# Altium PCB MatrixRE2.PcbDoc (part 3 of 3)
Units mm, origin at the board's own origin, x right, y up, seen from the top; angles counter-clockwise.
Board outline 200.1 x 201 mm, 2 copper layers (Top Layer, Bottom Layer), stack 1.55 mm thick; 298 components, 226 nets, 883 pads, 431 vias.
Unrouted connection lines stored in the file: 2.
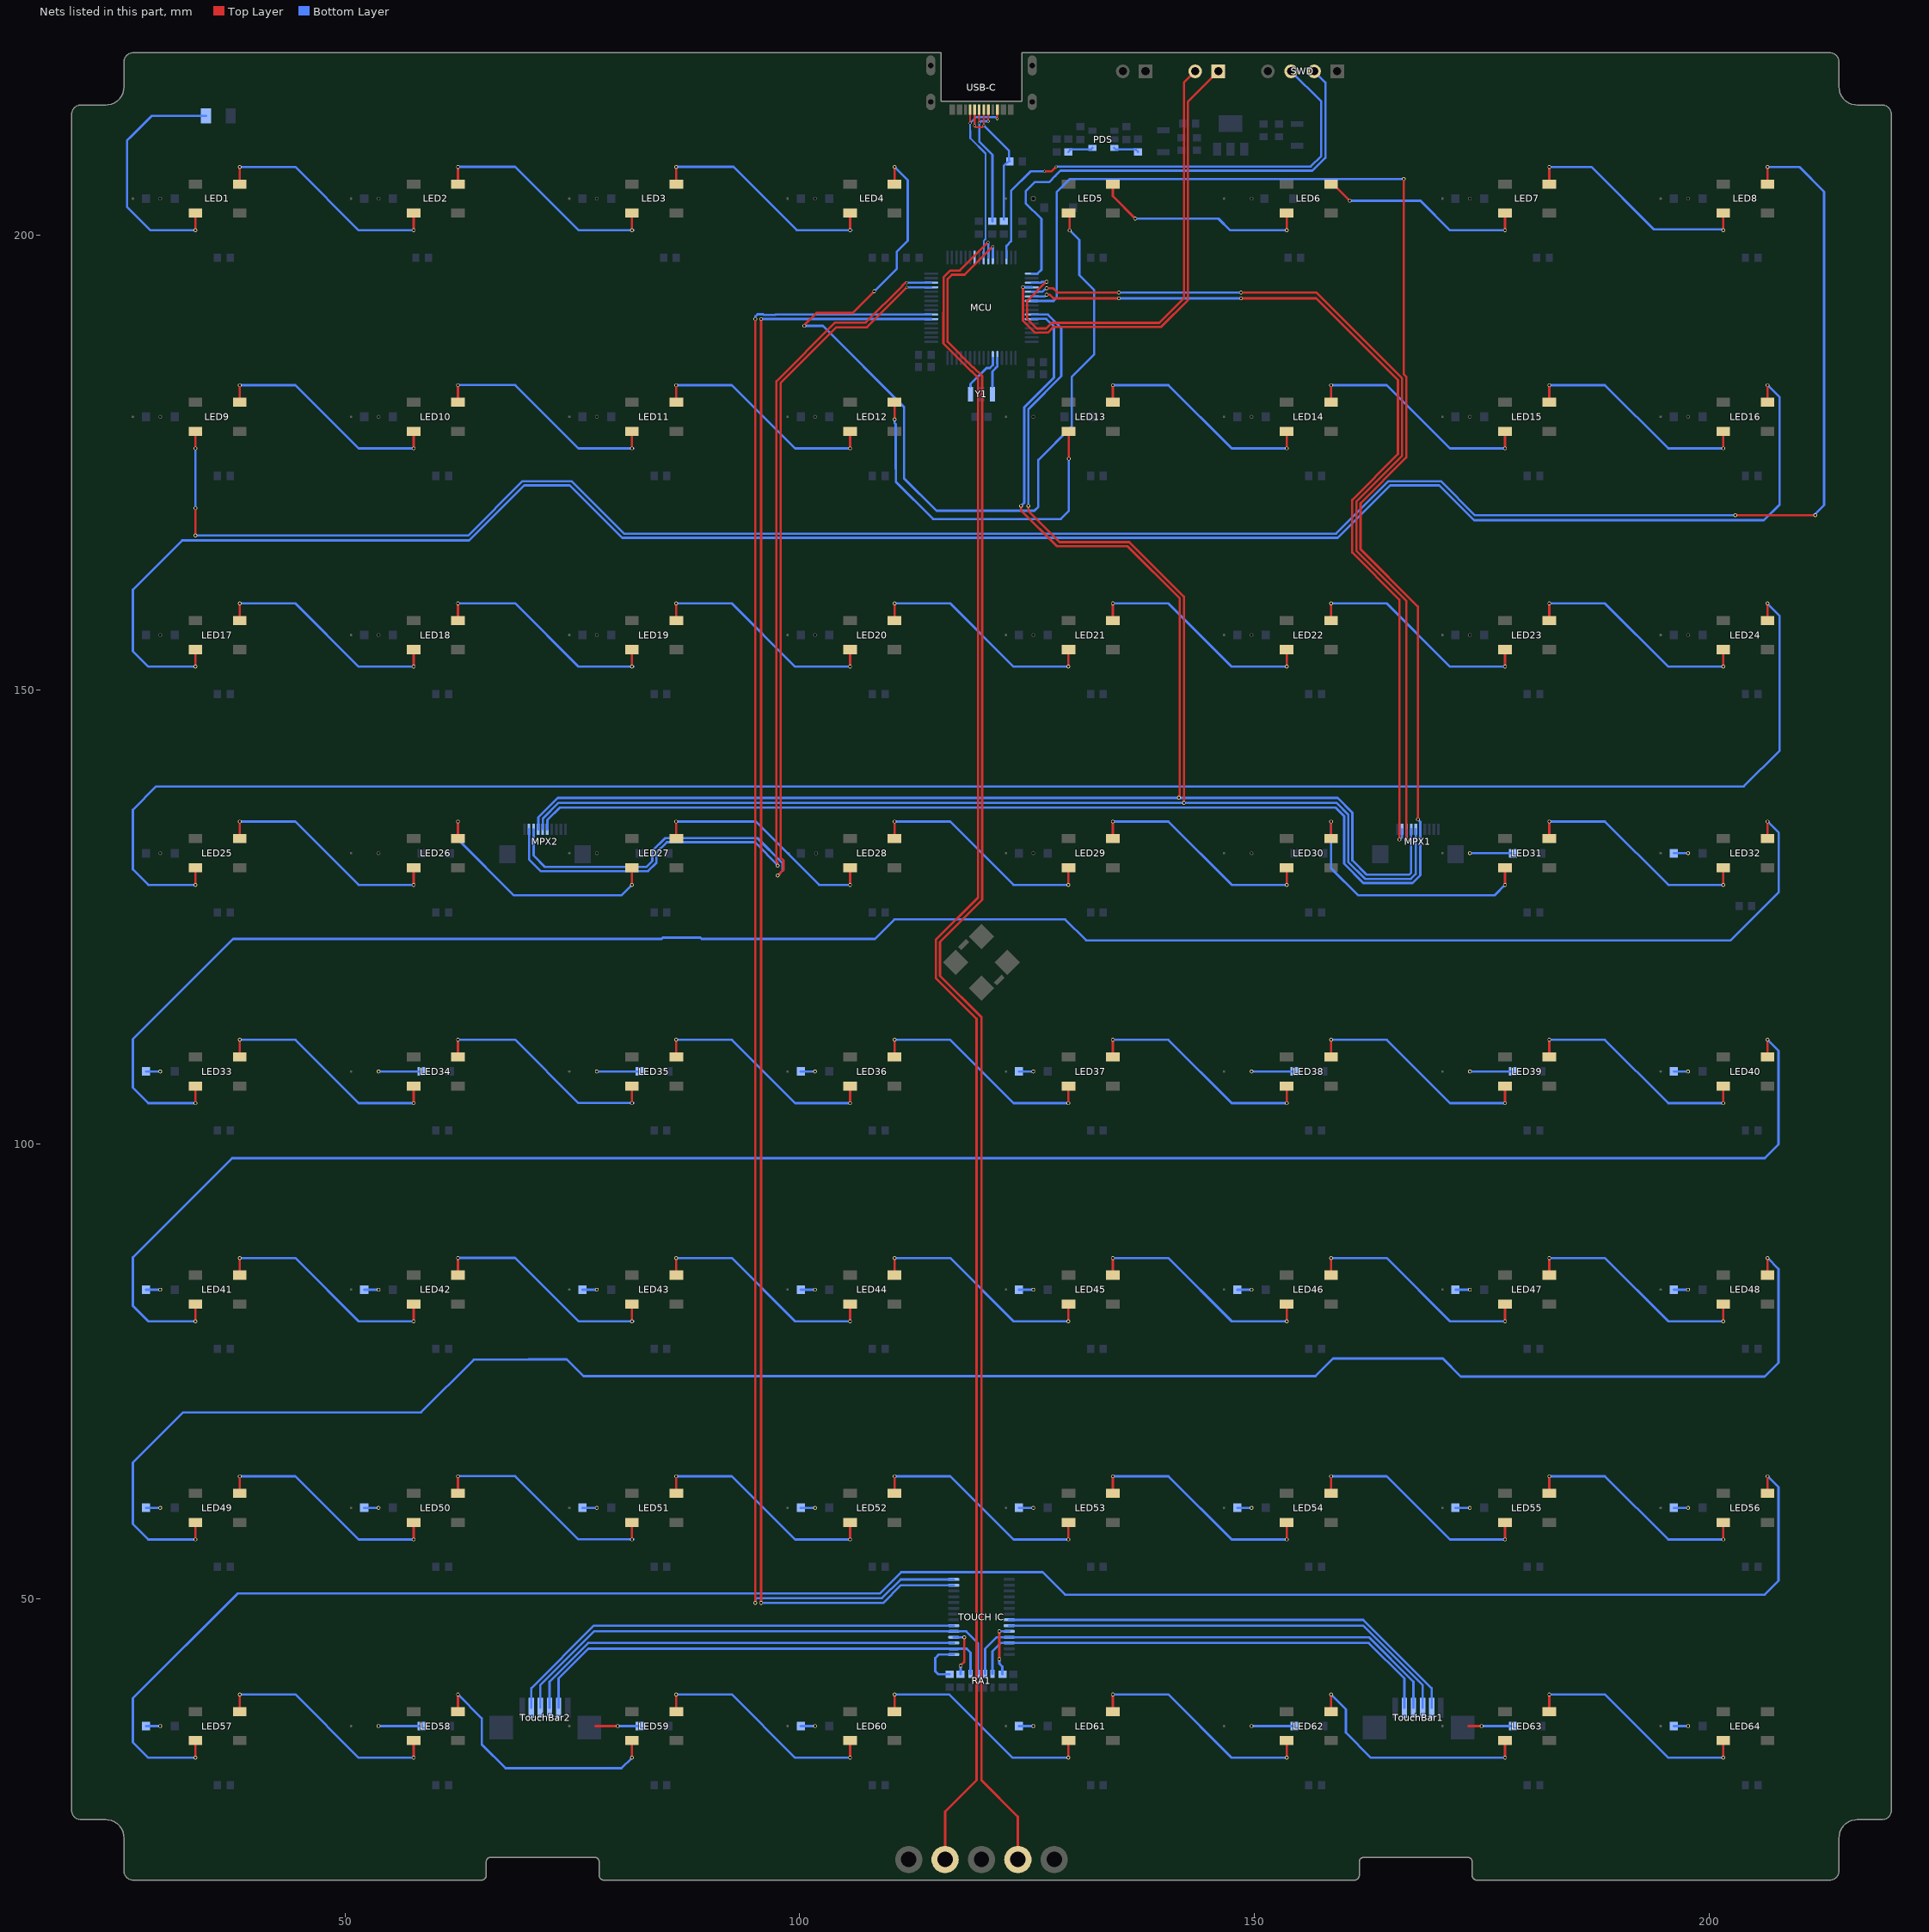
[diagram p3: the nets of this part, all layers, seen from the top]

## Via types
v1: diameter 0.406, hole 0.254, Top Layer to Bottom Layer, tented both sides, 186 vias
v2: diameter 0.61, hole 0.406, Top Layer to Bottom Layer, tented both sides, 141 vias
v3: diameter 0.711, hole 0.508, Top Layer to Bottom Layer, tented both sides, 65 vias
v4: diameter 0.305, hole 0.203, Top Layer to Bottom Layer, tented both sides, 26 vias
v5: diameter 0.7, hole 0.5, Top Layer to Bottom Layer, tented both sides, 8 vias
v6: diameter 8, hole 5.3, Top Layer to Bottom Layer, 4 vias
v7: diameter 1.1, hole 0.8, Top Layer to Bottom Layer, tented both sides, 1 vias

## Nets (pads, with @x,y where several pads share a name; then routed paths per layer and width w, separated by ;. In a path a pad name is that pad's centre, name@x,y a point inside that pad or via, vN(x,y) a via of type N, cw(c..) or ccw(c..) an arc to the next point about the centre after c; other vN are vias at no path point) (continued)
NetD31_1: D31.1 SW31.2 | length 4.7
  Bottom Layer w0.254: SW31.2@173.7,132 D31.1@178.425,132
NetD32_1: D32.1 SW32.2 | length 1.6
  Bottom Layer w0.254: D32.1@196.125,132 SW32.2@197.7,132
NetD33_1: D33.1 SW33.2 | length 1.6
  Bottom Layer w0.254: D33.1@28.125,108 SW33.2@29.7,108
NetD34_1: D34.1 SW34.2 | length 4.7
  Bottom Layer w0.254: SW34.2@53.7,108 D34.1@58.425,108
NetD35_1: D35.1 SW35.2 | length 4.7
  Bottom Layer w0.254: SW35.2@77.7,108 D35.1@82.425,108
NetD36_1: D36.1 SW36.2 | length 1.6
  Bottom Layer w0.254: D36.1@100.125,108 SW36.2@101.7,108
NetD37_1: D37.1 SW37.2 | length 1.6
  Bottom Layer w0.254: D37.1@124.125,108 SW37.2@125.7,108
NetD38_1: D38.1 SW38.2 | length 4.7
  Bottom Layer w0.254: SW38.2@149.7,108 D38.1@154.425,108
NetD39_1: D39.1 SW39.2 | length 4.7
  Bottom Layer w0.254: SW39.2@173.7,108 D39.1@178.425,108
NetD40_1: D40.1 SW40.2 | length 1.6
  Bottom Layer w0.254: D40.1@196.125,108 SW40.2@197.7,108
NetD41_1: D41.1 SW41.2 | length 1.6
  Bottom Layer w0.254: D41.1@28.125,84 SW41.2@29.7,84
NetD42_1: D42.1 SW42.2 | length 1.6
  Bottom Layer w0.254: D42.1@52.125,84 SW42.2@53.7,84
NetD43_1: D43.1 SW43.2 | length 1.6
  Bottom Layer w0.254: D43.1@76.125,84 SW43.2@77.7,84
NetD44_1: D44.1 SW44.2 | length 1.6
  Bottom Layer w0.254: D44.1@100.125,84 SW44.2@101.7,84
NetD45_1: D45.1 SW45.2 | length 1.6
  Bottom Layer w0.254: D45.1@124.125,84 SW45.2@125.7,84
NetD46_1: D46.1 SW46.2 | length 1.6
  Bottom Layer w0.254: D46.1@148.125,84 SW46.2@149.7,84
NetD47_1: D47.1 SW47.2 | length 1.6
  Bottom Layer w0.254: D47.1@172.125,84 SW47.2@173.7,84
NetD48_1: D48.1 SW48.2 | length 1.6
  Bottom Layer w0.254: D48.1@196.125,84 SW48.2@197.7,84
NetD49_1: D49.1 SW49.2 | length 1.6
  Bottom Layer w0.254: D49.1@28.125,60 SW49.2@29.7,60
NetD50_1: D50.1 SW50.2 | length 1.6
  Bottom Layer w0.254: D50.1@52.125,60 SW50.2@53.7,60
NetD51_1: D51.1 SW51.2 | length 1.6
  Bottom Layer w0.254: D51.1@76.125,60 SW51.2@77.7,60
NetD52_1: D52.1 SW52.2 | length 1.6
  Bottom Layer w0.254: D52.1@100.125,60 SW52.2@101.7,60
NetD53_1: D53.1 SW53.2 | length 1.6
  Bottom Layer w0.254: D53.1@124.125,60 SW53.2@125.7,60
NetD54_1: D54.1 SW54.2 | length 1.6
  Bottom Layer w0.254: D54.1@148.125,60 SW54.2@149.7,60
NetD55_1: D55.1 SW55.2 | length 1.6
  Bottom Layer w0.254: D55.1@172.125,60 SW55.2@173.7,60
NetD56_1: D56.1 SW56.2 | length 1.6
  Bottom Layer w0.254: D56.1@196.125,60 SW56.2@197.7,60
NetD57_1: D57.1 SW57.2 | length 1.6
  Bottom Layer w0.254: D57.1@28.125,36 SW57.2@29.7,36
NetD58_1: D58.1 SW58.2 | length 4.7
  Bottom Layer w0.254: SW58.2@53.7,36 D58.1@58.425,36
NetD59_1: D59.1 SW59.2 | length 4.9
  Top Layer w0.254: 77.56,36 SW59.2@80,36
  Bottom Layer w0.254: SW59.2@80,36 D59.1@82.425,36
NetD60_1: D60.1 SW60.2 | length 1.6
  Bottom Layer w0.254: D60.1@100.125,36 SW60.2@101.7,36
NetD61_1: D61.1 SW61.2 | length 1.6
  Bottom Layer w0.254: D61.1@124.125,36 SW61.2@125.7,36
NetD62_1: D62.1 SW62.2 | length 4.7
  Bottom Layer w0.254: SW62.2@149.7,36 D62.1@154.425,36
NetD63_1: D63.1 SW63.2 | length 4.8
  Top Layer w0.254: 173.584,36 SW63.2@175,36
  Bottom Layer w0.254: SW63.2@175,36 D63.1@178.425,36
NetD64_1: D64.1 SW64.2 | length 1.6
  Bottom Layer w0.254: D64.1@196.125,36 SW64.2@197.7,36
NetLED1_2: LED1.2 LED2.4 | length 25.8
  Top Layer w0.254: LED1.2@38.438,205.6 v1(38.438,207.48) ; v1(57.562,200.52) LED2.4@57.562,202.4
  Bottom Layer w0.254: v1(38.438,207.48) 44.559,207.48 51.519,200.52 v1(57.562,200.52)
NetLED1_4: LED1.4 R9.1 | length 27.6
  Top Layer w0.254: v1(33.562,200.52) LED1.4@33.562,202.4
  Bottom Layer w0.254: v1(33.562,200.52) 28.63,200.52 26.043,203.107 26.043,210.383 26.57,210.91 28.76,213.1 R9.1@34.73,213.1
NetLED2_2: LED2.2 LED3.4 | length 25.8
  Top Layer w0.254: LED2.2@62.438,205.6 v1(62.438,207.48) ; v1(81.562,200.52) LED3.4@81.562,202.4
  Bottom Layer w0.254: v1@62.601,207.493 68.721,207.493 75.682,200.532 v1@81.724,200.532
NetLED3_2: LED3.2 LED4.4 | length 25.8
  Top Layer w0.254: LED3.2@86.438,205.6 v1(86.438,207.48) ; v1(105.562,200.52) LED4.4@105.562,202.4
  Bottom Layer w0.254: v1@86.601,207.493 92.721,207.493 99.682,200.532 v1@105.724,200.532
NetLED4_2: LED4.2 LED5.4 | length 101.8
  Top Layer w0.254: v1@100.52,190.09 101.856,191.426 105.826,191.426 v1(108.2,193.8) ; LED4.2@110.438,205.6 v1(110.438,207.48) ; LED5.4@129.562,202.4 129.7,202.262 v1(129.7,200.5)
  Bottom Layer w0.254: v1(100.52,190) 102.57,190 111.489,181.081 111.489,173.237 115.056,169.67 125.816,169.67 126.25,170.104 126.25,175.25 129.916,178.916 129.916,184.394 132.376,186.854 132.376,193.962 130.754,195.584 130.754,199.445 v1(129.7,200.5) ; v1(108.2,193.8) 108.221,193.8 110.681,196.26 110.681,198.151 111.894,199.364 111.894,206.025 v1(110.438,207.48)
NetLED5_2: LED5.2 LED6.4 | length 23.9
  Top Layer w0.254: LED5.2@134.438,205.6 134.438,204.261 v1(136.9,201.8) ; v1(153.562,200.52) LED6.4@153.562,202.4
  Bottom Layer w0.254: v1(136.9,201.8) 146.054,201.8 147.333,200.52 v1(153.562,200.52)
NetLED6_2: LED6.2 LED7.4 | length 23.1
  Top Layer w0.254: LED6.2@158.438,205.6 158.658,205.6 v1(160.498,203.76) ; v1(177.562,200.52) LED7.4@177.562,202.4
  Bottom Layer w0.254: v1(160.498,203.76) 168.279,203.76 171.519,200.52 v1(177.562,200.52)
NetLED7_2: LED7.2 LED8.4 | length 25.8
  Top Layer w0.254: LED7.2@182.438,205.6 v1(182.438,207.48) ; v1(201.562,200.52) LED8.4@201.562,202.4
  Bottom Layer w0.254: v1(182.438,207.48) 187.055,207.48 193.904,200.632 201.45,200.632 v1(201.562,200.52)
NetLED8_2: LED8.2 LED9.4 | length 243.7
  Top Layer w0.254: v1(33.562,166.938) v1(33.562,169.962) ; v1(33.562,176.52) LED9.4@33.562,178.4 ; v1(202.895,169.16) v1(211.695,169.16) ; LED8.2@206.438,205.6 v1(206.438,207.48)
  Bottom Layer w0.254: v1(33.562,166.938) 63.552,166.938 69.532,172.919 74.923,172.919 80.696,167.146 158.983,167.146 164.756,172.919 170.518,172.919 174.277,169.16 v1(202.895,169.16) ; v1(33.562,169.962) v1(33.562,176.52) ; v1(206.438,207.48) 209.932,207.48 212.65,204.763 212.65,170.299 211.603,169.252 v1(211.695,169.16)
NetLED9_2: LED9.2 LED10.4 | length 25.8
  Top Layer w0.254: LED9.2@38.438,181.6 v1(38.438,183.48) ; v1(57.562,176.52) LED10.4@57.562,178.4
  Bottom Layer w0.254: v1(38.438,183.48) 44.559,183.48 51.519,176.52 v1(57.562,176.52)
NetLED10_2: LED10.2 LED11.4 | length 25.8
  Top Layer w0.254: LED10.2@62.438,181.6 v1(62.438,183.48) ; v1(81.562,176.52) LED11.4@81.562,178.4
  Bottom Layer w0.254: v1@62.601,183.493 68.721,183.493 75.682,176.532 v1@81.724,176.532
NetLED11_2: LED11.2 LED12.4 | length 25.8
  Top Layer w0.254: LED11.2@86.438,181.6 v1(86.438,183.48) ; v1(105.562,176.52) LED12.4@105.562,178.4
  Bottom Layer w0.254: v1(86.438,183.48) 92.559,183.48 99.519,176.52 v1(105.562,176.52)
NetLED12_2: LED12.2 LED13.4 | length 38.6
  Top Layer w0.254: v1(110.438,179.72) LED12.2@110.438,181.6 ; LED13.4@129.562,178.4 129.59,178.371 v1(129.59,175.4)
  Bottom Layer w0.254: v1(110.438,179.72) 110.438,179.332 110.576,179.194 110.576,174.284 110.581,174.279 110.581,172.861 114.68,168.762 128.719,168.762 129.59,169.633 v1(129.59,175.4)
NetLED13_2: LED13.2 LED14.4 | length 25.8
  Top Layer w0.254: LED13.2@134.438,181.6 v1(134.438,183.48) ; v1(153.562,176.52) LED14.4@153.562,178.4
  Bottom Layer w0.254: v1(134.438,183.48) 140.559,183.48 147.519,176.52 v1(153.562,176.52)
NetLED14_2: LED14.2 LED15.4 | length 25.8
  Top Layer w0.254: LED14.2@158.438,181.6 v1(158.438,183.48) ; v1(177.562,176.52) LED15.4@177.562,178.4
  Bottom Layer w0.254: v1(158.438,183.48) 164.559,183.48 171.519,176.52 v1(177.562,176.52)
NetLED15_2: LED15.2 LED16.4 | length 25.8
  Top Layer w0.254: LED15.2@182.438,181.6 v1(182.438,183.48) ; v1(201.562,176.52) LED16.4@201.562,178.4
  Bottom Layer w0.254: v1(182.438,183.48) 188.559,183.48 195.519,176.52 v1(201.562,176.52)
NetLED16_2: LED16.2 LED17.4 | length 224.7
  Top Layer w0.254: v1(33.562,152.52) LED17.4@33.562,154.4 ; LED16.2@206.438,181.6 v1(206.438,183.48)
  Bottom Layer w0.254: v1(33.562,152.52) 28.38,152.52 26.681,154.219 26.681,160.981 32.108,166.408 63.664,166.408 69.72,172.465 74.735,172.465 80.508,166.692 159.171,166.692 164.944,172.465 170.33,172.465 174.165,168.63 206.042,168.63 207.767,170.356 207.767,182.152 v1(206.438,183.48)
NetLED17_2: LED17.2 LED18.4 | length 25.8
  Top Layer w0.254: LED17.2@38.438,157.6 v1(38.438,159.48) ; v1(57.562,152.52) LED18.4@57.562,154.4
  Bottom Layer w0.254: v1(38.438,159.48) 44.559,159.48 51.519,152.52 v1(57.562,152.52)
NetLED18_2: LED18.2 LED19.4 | length 25.8
  Top Layer w0.254: LED18.2@62.438,157.6 v1(62.438,159.48) ; v1(81.562,152.52) LED19.4@81.562,154.4
  Bottom Layer w0.254: v1@62.601,159.493 68.721,159.493 75.682,152.532 v1@81.724,152.532
NetLED19_2: LED19.2 LED20.4 | length 25.8
  Top Layer w0.254: LED19.2@86.438,157.6 v1(86.438,159.48) ; v1(105.562,152.52) LED20.4@105.562,154.4
  Bottom Layer w0.254: v1(86.438,159.48) 92.559,159.48 99.519,152.52 v1(105.562,152.52)
NetLED20_2: LED20.2 LED21.4 | length 25.8
  Top Layer w0.254: LED20.2@110.438,157.6 v1(110.438,159.48) ; v1(129.562,152.52) LED21.4@129.562,154.4
  Bottom Layer w0.254: v1(110.438,159.48) 116.559,159.48 123.519,152.52 v1(129.562,152.52)
NetLED21_2: LED21.2 LED22.4 | length 25.8
  Top Layer w0.254: LED21.2@134.438,157.6 v1(134.438,159.48) ; v1(153.562,152.52) LED22.4@153.562,154.4
  Bottom Layer w0.254: v1(134.438,159.48) 140.559,159.48 147.519,152.52 v1(153.562,152.52)
NetLED22_2: LED22.2 LED23.4 | length 25.8
  Top Layer w0.254: LED22.2@158.438,157.6 v1(158.438,159.48) ; v1(177.562,152.52) LED23.4@177.562,154.4
  Bottom Layer w0.254: v1(158.438,159.48) 164.559,159.48 171.519,152.52 v1(177.562,152.52)
NetLED23_2: LED23.2 LED24.4 | length 25.8
  Top Layer w0.254: LED23.2@182.438,157.6 v1(182.438,159.48) ; v1(201.562,152.52) LED24.4@201.562,154.4
  Bottom Layer w0.254: v1(182.438,159.48) 188.559,159.48 195.519,152.52 v1(201.562,152.52)
NetLED24_2: LED24.2 LED25.4 | length 218.4
  Top Layer w0.254: v1(33.562,128.52) LED25.4@33.562,130.4 ; LED24.2@206.438,157.6 v1(206.438,159.48)
  Bottom Layer w0.254: v1(33.562,128.52) 28.38,128.52 26.681,130.219 26.681,136.78 29.253,139.352 203.819,139.352 207.767,143.3 207.767,158.079 206.438,159.408 v1(206.438,159.48)
NetLED25_2: LED25.2 LED26.4 | length 25.8
  Top Layer w0.254: LED25.2@38.438,133.6 v1(38.438,135.48) ; v1(57.562,128.52) LED26.4@57.562,130.4
  Bottom Layer w0.254: v1(38.438,135.48) 44.559,135.48 51.519,128.52 v1(57.562,128.52)
NetLED26_2: LED26.2 LED27.4 | length 27.9
  Top Layer w0.254: LED26.2@62.438,133.6 v1(62.438,135.48) ; v1(81.562,128.52) LED27.4@81.562,130.4
  Bottom Layer w0.254: v1(62.438,135.48) 62.438,133.524 68.594,127.368 80.41,127.368 v1(81.562,128.52)
NetLED27_2: LED27.2 LED28.4 | length 25.8
  Top Layer w0.254: LED27.2@86.438,133.6 v1(86.438,135.48) ; v1(105.562,128.52) LED28.4@105.562,130.4
  Bottom Layer w0.254: v1(86.438,135.48) 95.19,135.48 102.15,128.52 v1(105.562,128.52)
NetLED28_2: LED28.2 LED29.4 | length 25.8
  Top Layer w0.254: LED28.2@110.438,133.6 v1(110.438,135.48) ; v1(129.562,128.52) LED29.4@129.562,130.4
  Bottom Layer w0.254: v1(110.438,135.48) 116.559,135.48 123.519,128.52 v1(129.562,128.52)
NetLED29_2: LED29.2 LED30.4 | length 25.8
  Top Layer w0.254: LED29.2@134.438,133.6 v1(134.438,135.48) ; v1(153.562,128.52) LED30.4@153.562,130.4
  Bottom Layer w0.254: v1(134.438,135.48) 140.559,135.48 147.519,128.52 v1(153.562,128.52)
NetLED30_2: LED30.2 LED31.4 | length 29.7
  Top Layer w0.254: LED30.2@158.438,133.6 v1(158.438,135.48) ; v1(177.562,128.52) LED31.4@177.562,130.4
  Bottom Layer w0.254: v1(158.438,135.48) 158.438,130.354 161.424,127.368 176.41,127.368 v1(177.562,128.52)
NetLED31_2: LED31.2 LED32.4 | length 25.8
  Top Layer w0.254: LED31.2@182.438,133.6 v1(182.438,135.48) ; v1(201.562,128.52) LED32.4@201.562,130.4
  Bottom Layer w0.254: v1(182.438,135.48) 188.559,135.48 195.519,128.52 v1(201.562,128.52)
NetLED32_2: LED32.2 LED33.4 | length 214.7
  Top Layer w0.254: v1(33.562,104.52) LED33.4@33.562,106.4 ; LED32.2@206.438,133.6 v1(206.438,135.48)
  Bottom Layer w0.254: v1(33.562,104.52) 28.38,104.52 26.681,106.219 26.681,111.559 37.704,122.582 84.825,122.582 84.96,122.718 89.092,122.718 89.227,122.582 108.292,122.582 110.432,124.722 129.21,124.722 131.509,122.423 202.375,122.423 207.674,127.721 207.674,134.245 v1(206.438,135.48)
NetLED33_2: LED33.2 LED34.4 | length 25.8
  Top Layer w0.254: LED33.2@38.438,109.6 v1(38.438,111.48) ; v1(57.562,104.52) LED34.4@57.562,106.4
  Bottom Layer w0.254: v1(38.438,111.48) 44.559,111.48 51.519,104.52 v1(57.562,104.52)
NetLED34_2: LED34.2 LED35.4 | length 25.8
  Top Layer w0.254: LED34.2@62.438,109.6 v1(62.438,111.48) ; v1(81.562,104.52) LED35.4@81.562,106.4
  Bottom Layer w0.254: v1@62.601,111.493 68.721,111.493 75.682,104.532 v1@81.724,104.532
NetLED35_2: LED35.2 LED36.4 | length 25.8
  Top Layer w0.254: LED35.2@86.438,109.6 v1(86.438,111.48) ; v1(105.562,104.52) LED36.4@105.562,106.4
  Bottom Layer w0.254: v1(86.438,111.48) 92.559,111.48 99.519,104.52 v1(105.562,104.52)
NetLED36_2: LED36.2 LED37.4 | length 25.8
  Top Layer w0.254: LED36.2@110.438,109.6 v1(110.438,111.48) ; v1(129.562,104.52) LED37.4@129.562,106.4
  Bottom Layer w0.254: v1(110.438,111.48) 116.559,111.48 123.519,104.52 v1(129.562,104.52)
NetLED37_2: LED37.2 LED38.4 | length 25.8
  Top Layer w0.254: LED37.2@134.438,109.6 v1(134.438,111.48) ; v1(153.562,104.52) LED38.4@153.562,106.4
  Bottom Layer w0.254: v1(134.438,111.48) 140.559,111.48 147.519,104.52 v1(153.562,104.52)
NetLED38_2: LED38.2 LED39.4 | length 25.8
  Top Layer w0.254: LED38.2@158.438,109.6 v1(158.438,111.48) ; v1(177.562,104.52) LED39.4@177.562,106.4
  Bottom Layer w0.254: v1(158.438,111.48) 164.559,111.48 171.519,104.52 v1(177.562,104.52)
NetLED39_2: LED39.2 LED40.4 | length 25.8
  Top Layer w0.254: LED39.2@182.438,109.6 v1(182.438,111.48) ; v1(201.562,104.52) LED40.4@201.562,106.4
  Bottom Layer w0.254: v1(182.438,111.48) 188.559,111.48 195.519,104.52 v1(201.562,104.52)
NetLED40_2: LED40.2 LED41.4 | length 214.8
  Top Layer w0.254: v1(33.562,80.52) LED41.4@33.562,82.4 ; LED40.2@206.438,109.6 v1(206.438,111.48)
  Bottom Layer w0.254: v1(33.562,80.52) 28.38,80.52 26.681,82.219 26.681,87.559 37.592,98.47 206.14,98.47 207.644,99.974 207.644,110.274 v1(206.438,111.48)
NetLED41_2: LED41.2 LED42.4 | length 25.8
  Top Layer w0.254: LED41.2@38.438,85.6 v1(38.438,87.48) ; v1(57.562,80.52) LED42.4@57.562,82.4
  Bottom Layer w0.254: v1(38.438,87.48) 44.559,87.48 51.519,80.52 v1(57.562,80.52)
NetLED42_2: LED42.2 LED43.4 | length 25.8
  Top Layer w0.254: LED42.2@62.438,85.6 v1(62.438,87.48) ; v1(81.562,80.52) LED43.4@81.562,82.4
  Bottom Layer w0.254: v1@62.601,87.493 68.721,87.493 75.682,80.532 v1@81.724,80.532
NetLED43_2: LED43.2 LED44.4 | length 25.8
  Top Layer w0.254: LED43.2@86.438,85.6 v1(86.438,87.48) ; v1(105.562,80.52) LED44.4@105.562,82.4
  Bottom Layer w0.254: v1(86.438,87.48) 92.559,87.48 99.519,80.52 v1(105.562,80.52)
NetLED44_2: LED44.2 LED45.4 | length 25.8
  Top Layer w0.254: LED44.2@110.438,85.6 v1(110.438,87.48) ; v1(129.562,80.52) LED45.4@129.562,82.4
  Bottom Layer w0.254: v1(110.438,87.48) 116.559,87.48 123.519,80.52 v1(129.562,80.52)
NetLED45_2: LED45.2 LED46.4 | length 25.8
  Top Layer w0.254: LED45.2@134.438,85.6 v1(134.438,87.48) ; v1(153.562,80.52) LED46.4@153.562,82.4
  Bottom Layer w0.254: v1(134.438,87.48) 140.559,87.48 147.519,80.52 v1(153.562,80.52)
NetLED46_2: LED46.2 LED47.4 | length 25.8
  Top Layer w0.254: LED46.2@158.438,85.6 v1(158.438,87.48) ; v1(177.562,80.52) LED47.4@177.562,82.4
  Bottom Layer w0.254: v1(158.438,87.48) 164.559,87.48 171.519,80.52 v1(177.562,80.52)
NetLED47_2: LED47.2 LED48.4 | length 25.8
  Top Layer w0.254: LED47.2@182.438,85.6 v1(182.438,87.48) ; v1(201.562,80.52) LED48.4@201.562,82.4
  Bottom Layer w0.254: v1(182.438,87.48) 188.559,87.48 195.519,80.52 v1(201.562,80.52)
NetLED48_2: LED48.2 LED49.4 | length 218.8
  Top Layer w0.254: v1(33.562,56.52) LED49.4@33.562,58.4 ; LED48.2@206.438,85.6 v1(206.438,87.48)
  Bottom Layer w0.254: v1(33.562,56.52) 28.38,56.52 26.681,58.219 26.681,64.981 32.207,70.507 58.38,70.507 64.178,76.305 70.186,76.305 70.208,76.327 74.399,76.327 76.24,74.486 156.728,74.486 158.676,76.434 170.735,76.434 172.719,74.45 206.12,74.45 207.644,75.974 207.644,86.274 v1(206.438,87.48)
NetLED49_2: LED49.2 LED50.4 | length 25.8
  Top Layer w0.254: LED49.2@38.438,61.6 v1(38.438,63.48) ; v1(57.562,56.52) LED50.4@57.562,58.4
  Bottom Layer w0.254: v1(38.438,63.48) 44.559,63.48 51.519,56.52 v1(57.562,56.52)
NetLED50_2: LED50.2 LED51.4 | length 25.8
  Top Layer w0.254: LED50.2@62.438,61.6 v1(62.438,63.48) ; v1(81.562,56.52) LED51.4@81.562,58.4
  Bottom Layer w0.254: v1@62.601,63.493 68.721,63.493 75.682,56.532 v1@81.724,56.532
NetLED51_2: LED51.2 LED52.4 | length 25.8
  Top Layer w0.254: LED51.2@86.438,61.6 v1(86.438,63.48) ; v1(105.562,56.52) LED52.4@105.562,58.4
  Bottom Layer w0.254: v1(86.438,63.48) 92.559,63.48 99.519,56.52 v1(105.562,56.52)
NetLED52_2: LED52.2 LED53.4 | length 25.8
  Top Layer w0.254: LED52.2@110.438,61.6 v1(110.438,63.48) ; v1(129.562,56.52) LED53.4@129.562,58.4
  Bottom Layer w0.254: v1(110.438,63.48) 116.559,63.48 123.519,56.52 v1(129.562,56.52)
NetLED53_2: LED53.2 LED54.4 | length 25.8
  Top Layer w0.254: LED53.2@134.438,61.6 v1(134.438,63.48) ; v1(153.562,56.52) LED54.4@153.562,58.4
  Bottom Layer w0.254: v1(134.438,63.48) 140.559,63.48 147.519,56.52 v1(153.562,56.52)
NetLED54_2: LED54.2 LED55.4 | length 25.8
  Top Layer w0.254: LED54.2@158.438,61.6 v1(158.438,63.48) ; v1(177.562,56.52) LED55.4@177.562,58.4
  Bottom Layer w0.254: v1(158.438,63.48) 164.559,63.48 171.519,56.52 v1(177.562,56.52)
NetLED55_2: LED55.2 LED56.4 | length 25.8
  Top Layer w0.254: LED55.2@182.438,61.6 v1(182.438,63.48) ; v1(201.562,56.52) LED56.4@201.562,58.4
  Bottom Layer w0.254: v1(182.438,63.48) 188.559,63.48 195.519,56.52 v1(201.562,56.52)
NetLED56_2: LED56.2 LED57.4 | length 216.5
  Top Layer w0.254: v1(33.562,32.52) LED57.4@33.562,34.4 ; LED56.2@206.438,61.6 v1(206.438,63.48)
  Bottom Layer w0.254: v1(33.562,32.52) 28.38,32.52 26.681,34.219 26.681,39.064 38.199,50.582 108.825,50.582 111.161,52.919 126.719,52.919 129.188,50.45 206.12,50.45 ; 206.14,50.47 207.644,51.974 207.644,62.274 v1(206.438,63.48)
NetLED57_2: LED57.2 LED58.4 | length 25.8
  Top Layer w0.254: LED57.2@38.438,37.6 v1(38.438,39.48) ; v1(57.562,32.52) LED58.4@57.562,34.4
  Bottom Layer w0.254: v1(38.438,39.48) 44.559,39.48 51.519,32.52 v1(57.562,32.52)
NetLED58_2: LED58.2 LED59.4 | length 28.4
  Top Layer w0.254: LED58.2@62.438,37.6 v1(62.438,39.48) ; v1(81.562,32.52) LED59.4@81.562,34.4
  Bottom Layer w0.254: v1(62.438,39.48) 65.05,36.869 65.05,36 65.05,33.99 67.672,31.368 75.843,31.368 80.41,31.368 v1(81.562,32.52)
NetLED59_2: LED59.2 LED60.4 | length 25.8
  Top Layer w0.254: LED59.2@86.438,37.6 v1(86.438,39.48) ; v1(105.562,32.52) LED60.4@105.562,34.4
  Bottom Layer w0.254: v1(86.438,39.48) 92.559,39.48 99.519,32.52 v1(105.562,32.52)
NetLED60_2: LED60.2 LED61.4 | length 25.8
  Top Layer w0.254: LED60.2@110.438,37.6 v1(110.438,39.48) ; v1(129.562,32.52) LED61.4@129.562,34.4
  Bottom Layer w0.254: v1(110.438,39.48) 116.449,39.48 123.41,32.52 v1(129.562,32.52)
NetLED61_2: LED61.2 LED62.4 | length 25.8
  Top Layer w0.254: LED61.2@134.438,37.6 v1(134.438,39.48) ; v1(153.562,32.52) LED62.4@153.562,34.4
  Bottom Layer w0.254: v1(134.438,39.48) 140.559,39.48 147.519,32.52 v1(153.562,32.52)
NetLED62_2: LED62.2 LED63.4 | length 27.3
  Top Layer w0.254: LED62.2@158.438,37.6 v1(158.438,39.48) ; v1(177.562,32.52) LED63.4@177.562,34.4
  Bottom Layer w0.254: v1(158.438,39.48) 160.069,37.849 160.069,35.271 162.82,32.52 v1(177.562,32.52)
NetLED63_2: LED63.2 LED64.4 | length 25.8
  Top Layer w0.254: LED63.2@182.438,37.6 v1(182.438,39.48) ; v1(201.562,32.52) LED64.4@201.562,34.4
  Bottom Layer w0.254: v1(182.438,39.48) 188.559,39.48 195.519,32.52 v1(201.562,32.52)
NetR7_2: 
NetRLED_2: 
OSCIN: MCU.5 Y1.1 | length 3.4
  Bottom Layer w0.254: 121.2,183.33 121.2,183.5 121.2,184.988 121.75,185.538 MCU.5@121.75,186.475
OSCOUT: MCU.6 Y1.3 | length 4.4
  Bottom Layer w0.254: 118.8,183.33 118.8,183.602 120.568,185.37 120.94,185.37 121.25,185.68 MCU.6@121.25,186.475
PA8: 
PB6: 
PC8: MCU.39
PC9: 
PC13: 
PC14: 
PC15: 
PDSEN: PDS.4 R3.2 | length 2.8
  Bottom Layer w0.254: R3.2@129.56,209.14 R3.2@129.75,209.33 ; R3.2@129.75,209.4 132.02,209.4 PDS.4@132.19,209.57
PowerCord: MCU.41 USB-C.A8 USB-C.B8 | length 21.8
  Top Layer w0.203: v4(118.75,212.3) USB-C.A8@118.75,213.775 USB-C.A8@118.75,214.075 ; v4(121.72,212.78) 121.72,213.845 USB-C.B8@121.75,213.875
  Bottom Layer w0.203: MCU.41@120.25,197.525 120.25,199.352 120.448,199.55 120.448,208.969 118.771,210.646 118.771,211.449 118.75,211.47 v4(118.75,212.3) 119.414,212.964 121.508,212.964 121.692,212.78 v4(121.72,212.78)
PSDISET: PDS.3 R2.2 | length 2.8
  Bottom Layer w0.254: PDS.3@134.59,209.57 134.76,209.4 136.96,209.4 R2.2@137.22,209.14
RESET: 
RX1: MCU.43 pad.2@124,21.32 | length 188.3
  Top Layer w0.25: 120.074,128.103 120.074,177.107 120.071,177.11 120.071,184.507 119.144,185.435 119.084,185.435 116.276,188.243 116.276,195.167 116.739,195.63 118.152,195.63 v4(121.25,198.728)
  Top Layer w0.254: 120.076,128.103 120.076,126.896 115.43,122.25 115.43,118.53 120,113.96 120,30.04 124,26.04 pad.2@124,21.6
  Bottom Layer w0.25: MCU.43@121.25,197.525 v4(121.25,198.728)
RX3: MCU.30 MPX2.9 | length 109.2
  Top Layer w0.254: v1(97.6,130.63) 97.6,130.92 97.454,131.066 97.454,183.912 103.902,190.36 107.268,190.36 111.311,194.403 111.311,194.439 111.622,194.75 v4(111.79,194.75)
  Bottom Layer w0.254: MPX2.9@70.25,134.625 70.25,131.318 71.532,130.036 83.338,130.036 84.254,130.952 84.254,132.066 85.398,133.21 95.1,133.21 v1@97.68,130.63 ; v4(111.79,194.75) MCU.30@114.475,194.75
RX4: MCU.52 UART.1 | length 51.3
  Top Layer w0.254: v1(124.57,194.25) 124.57,190.582 125.886,189.266 127.298,189.266 127.914,189.882 139.736,189.882 142.711,192.857 142.711,214.671 UART.1@146.04,218
  Bottom Layer w0.254: v1(124.57,194.25) MCU.52@125.525,194.25
RX5: MCU.54 MPX1.9 | length 100.3
  Top Layer w0.254: v1(127.16,193.44) 127.5,193.44 127.919,193.02 v1(135.11,193.02) ; v1(148.53,193.02) 156.814,193.02 165.803,184.031 165.803,175.893 160.77,170.86 160.77,165.064 165.957,159.877 v1(165.957,133.507)
  Bottom Layer w0.254: MCU.54@125.525,193.25 126.96,193.25 127.15,193.44 v1(127.16,193.44) ; v1(135.11,193.02) v1(148.53,193.02) ; v1(165.957,133.507) 166.25,133.8 MPX1.9@166.25,134.625
SBRX: 
SBTX: 
SCK: MCU.55 MPX1.5 MPX2.5 | length 239
  Top Layer w0.254: v1(166.439,206.164) 166.439,184.679 166.711,184.407 166.711,175.517 161.678,170.484 161.678,165.441 167.98,159.139 v1(167.98,135.72)
  Bottom Layer w0.254: MPX2.5@72.25,134.625 72.273,134.625 72.273,135.67 73.624,137.02 82.199,137.02 82.211,137.008 83.35,137.008 83.362,137.02 84.638,137.02 84.65,137.008 104.912,137.008 104.924,137.02 106.199,137.02 106.211,137.008 128.912,137.008 128.924,137.02 130.199,137.02 130.211,137.008 145.17,137.008 145.182,137.02 146.458,137.02 158.933,137.02 159.877,136.076 159.877,130.842 161.988,128.73 167.408,128.73 168.25,129.572 MPX1.5@168.25,134.625 168.25,135.45 v1(167.98,135.72) ; MCU.55@125.525,192.75 127.94,192.75 128.262,193.072 128.262,204.716 129.709,206.164 166.15,206.164
SCL: MCU.58 MPX1.6 MPX2.6 | length 178.7
  Top Layer w0.254: v1(125.16,170.2) 125.16,169.64 128.577,166.223 136.253,166.223 142.257,160.219 142.257,138.457 ; v1(142.257,137.55) 142.257,138.457
  Bottom Layer w0.254: MPX2.6@71.727,134.67 71.773,134.67 71.773,135.812 73.511,137.55 v1(142.257,137.55) 159.045,137.55 160.331,136.264 160.331,131.03 162.177,129.184 167.22,129.184 167.75,129.714 MPX1.6@167.75,134.625 ; v1(125.16,170.2) 125.16,180.852 128.78,184.472 128.78,189.78 127.31,191.25 MCU.58@125.525,191.25
SDA: MCU.59 MPX1.7 MPX2.7 | length 177.5
  Top Layer w0.254: v1(124.36,170.2) 124.36,169.69 128.281,165.769 136.065,165.769 141.803,160.031 141.803,138.645 ; v1(141.707,138.1) 141.707,138.292 141.803,138.388 141.803,138.645
  Bottom Layer w0.254: MPX2.7@71.25,134.625 71.273,134.648 71.273,135.954 73.4,138.08 159.156,138.08 160.785,136.452 160.785,131.218 162.365,129.638 167.032,129.638 167.25,129.856 167.25,133.28 167.257,133.287 167.257,133.727 167.25,133.734 MPX1.7@167.25,134.625 ; v1@124.429,170.269 124.706,170.546 124.706,181.04 127.97,184.304 127.97,189.948 127.138,190.78 125.555,190.78 MCU.59@125.525,190.75
SLPSENA: "TOUCH IC.1" C4.2@116.5,41.7 | length 5.4
  Bottom Layer w0.254: C4.2@116.5,41.7 115.25,41.7 114.92,42.03 114.92,43.48 115.313,43.873 116.95,43.873
SNEADJ0: "TOUCH IC.4" C3.2@117.7,41.7 | length 5.3
  Top Layer w0.254: v1(117.7,42.65) 118.1,43.05 v1(118.1,45.778)
  Bottom Layer w0.254: 116.95,45.778 v1@118.05,45.778 ; C3.2@117.7,41.7 v1(117.7,42.65)
SNEADJ1: "TOUCH IC.24" C2.2@122.3,41.7 | length 5.9
  Top Layer w0.254: v1(121.96,43.35) v1(121.96,46.413)
  Bottom Layer w0.254: v1(121.96,43.35) 121.96,42.88 122.3,42.54 C2.2@122.3,41.7 ; v1(121.96,46.413) 123.05,46.413
SWCLK: MCU.49 SWD.2 | length 55.1
  Bottom Layer w0.254: MCU.49@125.525,195.75 126.172,195.75 126.595,196.173 126.595,201.755 124.863,203.487 124.863,204.822 125.874,205.833 126.418,205.833 126.443,205.808 127.427,205.808 128.123,206.503 128.691,207.072 156.394,207.072 157.814,208.492 157.814,216.766 SWD.2@156.58,218
SWIO: MCU.46 SWD.3 | length 53.9
  Top Layer w0.254: v4(126.935,206.995) 127.695,206.995 v4(128.2,207.5)
  Bottom Layer w0.254: MCU.46@122.75,197.525 122.75,198.81 123.26,199.32 123.26,204.862 125.393,206.995 v4(126.935,206.995) ; v4(128.2,207.5) 128.226,207.526 156.206,207.526 157.36,208.68 157.36,214.68 SWD.3@154.04,218
Touch1: "TOUCH IC.6" TouchBar2.5 | length 51.5
  Bottom Layer w0.254: TouchBar2.5@70.5,38 70.5,40.166 77.381,47.048 116.95,47.048
Touch2: "TOUCH IC.5" RA1.3 TouchBar2.4 | length 57
  Bottom Layer w0.254: TouchBar2.4@71.5,38 71.5,40.524 77.388,46.413 116.95,46.413 118.318,46.413 119.6,45.13 RA1.3@119.6,41.75
Touch3: "TOUCH IC.3" TouchBar2.3 | length 49.1
  Bottom Layer w0.254: TouchBar2.3@72.5,38 72.5,40.882 76.76,45.143 116.95,45.143
Touch4: "TOUCH IC.2" RA1.4 TouchBar2.2 | length 52.4
  Bottom Layer w0.254: TouchBar2.2@73.5,38 73.5,41.24 76.767,44.508 116.95,44.508 118.382,44.508 118.8,44.09 RA1.4@118.8,41.75
Touch5: "TOUCH IC.26" RA1.1 TouchBar1.5 | length 53
  Bottom Layer w0.254: RA1.1@121.2,41.75 121.2,44.23 122.113,45.143 123.05,45.143 162.598,45.143 166.5,41.24 TouchBar1.5@166.5,38
Touch6: "TOUCH IC.25" RA1.2 TouchBar1.4 | length 55.3
  Bottom Layer w0.254: RA1.2@120.4,41.75 120.4,44.495 121.682,45.778 123.05,45.778 162.605,45.778 167.5,40.882 TouchBar1.4@167.5,38
Touch7: "TOUCH IC.23" TouchBar1.3 | length 50.7
  Bottom Layer w0.254: 123.05,47.048 161.977,47.048 168.5,40.524 TouchBar1.3@168.5,38
Touch8: "TOUCH IC.22" TouchBar1.2 | length 51.7
  Bottom Layer w0.254: 123.05,47.683 161.984,47.683 169.5,40.166 TouchBar1.2@169.5,38
TouchClock: "TOUCH IC.14" MCU.23 | length 184.2
  Top Layer w0.254: v1@95.14,49.44 v1(95.14,49.542) v1(95.14,190.75)
  Bottom Layer w0.254: v1(95.14,49.542) 95.14,49.91 95.302,50.072 109.064,50.072 111.12,52.128 116.95,52.128 ; v1@95.14,190.7 v1(95.14,190.75) 95.14,191.05 95.37,191.28 95.98,191.28 96.056,191.204 97.304,191.204 97.35,191.25 MCU.23@114.475,191.25
TouchData: "TOUCH IC.13" MCU.22 | length 182.1
  Top Layer w0.254: v1@95.76,49.44 v1(95.76,49.542) v1(95.76,190.75)
  Bottom Layer w0.254: v1@95.752,190.702 95.8,190.75 MCU.22@114.475,190.75 ; v1(95.76,49.542) 109.176,49.542 111.127,51.493 116.95,51.493
TX1: MCU.42 pad.4 | length 188.8
  Top Layer w0.25: 115.824,191.456 115.826,191.458 115.826,195.353 116.553,196.08 117.62,196.08 v4(120.74,199.2)
  Top Layer w0.254: 115.824,191.456 115.824,188.056 118.896,184.983 118.956,184.983 119.619,184.32 119.619,128.294 119.622,128.291 119.622,127.122 114.976,122.476 114.976,118.284 119.463,113.797 119.463,30.063 116,26.6 pad.4@116,21.6
  Bottom Layer w0.25: MCU.42@120.75,197.525 v4@120.75,199.2
TX3: MCU.29 MPX2.8 | length 111
  Top Layer w0.254: v1(97.6,129.55) 98.228,130.178 98.228,131.212 97.908,131.532 97.908,131.957 97.908,183.724 104.034,189.85 107.4,189.85 v4(111.79,194.24)
  Bottom Layer w0.254: MPX2.8@70.75,134.625 70.75,131.75 72.01,130.49 83.15,130.49 83.8,131.14 83.8,132.254 85.209,133.664 95.366,133.664 98.134,130.896 98.134,130.084 v1(97.6,129.55) ; v4(111.79,194.24) MCU.29@114.475,194.24
TX4: MCU.51 UART.2 | length 51.2
  Top Layer w0.254: v1(127.16,194.86) 127.121,194.86 125.024,192.764 125.024,190.77 126.074,189.72 127.11,189.72 127.726,190.336 139.548,190.336 142.257,193.045 142.257,216.757 UART.2@143.5,218
  Bottom Layer w0.254: MCU.51@125.525,194.75 126.53,194.75 126.64,194.86 v1(127.16,194.86)
TX5: MCU.53 MPX1.8 | length 101.3
  Top Layer w0.254: v1(127.16,194.15) 127.85,194.15 128.33,193.67 v1(135.11,193.67) ; v1(148.53,193.67) 156.807,193.67 166.257,184.219 166.257,175.705 161.224,170.672 161.224,165.253 166.727,159.75 v1(166.727,133.507) 166.766,133.507 v1@166.789,133.53
  Bottom Layer w0.254: MCU.53@125.525,193.75 126.71,193.75 127.11,194.15 v1(127.16,194.15) ; v1(135.11,193.67) v1(148.53,193.67) ; v1(166.727,133.507) 166.75,133.53 MPX1.8@166.75,134.625
USB+: R4.1 R5.1 USB-C.A6 USB-C.B6 | length 17.1
  Top Layer w0.203: v4@119.25,212.01 119.414,211.846 120.066,211.846 v4(120.25,212.03) USB-C.A6@120.25,213.775 USB-C.A6@120.25,214.075 ; v4(119.25,212.03) USB-C.B6@119.25,213.775 USB-C.B6@119.25,214.075
  Bottom Layer w0.203: v4@119.25,212.01 v4(119.25,212.03)
  Bottom Layer w0.254: v4(120.25,212.03) 123.04,209.24 R4.1@123.04,208.167 ; R5.1@122.45,201.7 122.45,207.577 R4.1@123.04,208.167 ; R4.1@123.1,208.107 R4.1@123.04,208.167
USB-: R6.1 USB-C.A7 USB-C.B7 | length 15.8
  Top Layer w0.203: v4(119.75,212.3) USB-C.A7@119.75,213.775 USB-C.A7@119.75,214.075 ; v4(120.75,212.51) USB-C.B7@120.75,213.775 USB-C.B7@120.75,214.075
  Bottom Layer w0.256: v4(120.75,212.51) 120.54,212.51 119.96,212.51 v4(119.75,212.3) 119.77,212.28 119.77,210.255 121.2,208.824 121.2,202.09 R6.1@121.2,201.5
VBAT: 
pads on no net: "TOUCH IC.7" "TOUCH IC.8" "TOUCH IC.9" "TOUCH IC.10" "TOUCH IC.11" "TOUCH IC.12" "TOUCH IC.15" "TOUCH IC.16" "TOUCH IC.17" "TOUCH IC.18" "TOUCH IC.19" "TOUCH IC.20" MCU.61 MCU.62

## Polygon pours and split planes (outlines as drawn)
GND on Top Layer "Top Layer-GND" (solid, shelved, pour order 5): 293 vertices, not listed, extent 19.95,19.05 220.05,220.05
GND on Bottom Layer "Bottom Layer-GND" (solid, shelved, pour order 6): 293 vertices, not listed, extent 19.95,19.05 220.05,220.05

## Other copper
Top Layer:
  region: 120.89,172.24

## Silkscreen, mask and mechanical layers (free items; w line width, h text height)
Bottom Overlay:
  region: 129.335,70.461
  lines w0.2: 147.35,216.73 147.35,219.27 ; 134.23,216.73 134.23,219.27 136.77,219.27 139.31,219.27 139.31,216.73 136.77,216.73 134.23,216.73
  lines w0.254: 67.1,129.4 67.1,105.4 76.9,105.4 76.9,129.4 ; 67.1,129.4 67.1,134.6 76.9,134.6 76.9,129.4 ; 67.1,129.4 76.9,129.4 ; 163.1,129.4 172.9,129.4 ; 163.1,129.4 163.1,134.6 172.9,134.6 172.9,129.4 ; 163.1,129.4 163.1,105.4 172.9,105.4 172.9,129.4
  text "BOOT0" at 139.31,215.24 h0.76
Top Solder:
  text "SPECIAL THANKS TO ALL THE SUPPORTERS OF 203" at 47.7,216.97 h1.14
Bottom Solder:
  region: 122.414,123.545 cw(c122.409,123.549) 122.409,123.543 122.324,123.543 117.437,120.167 117.437,116.391 cw(c117.431,116.391) 117.435,116.386 117.044,115.994 cw(c117.039,115.999) 117.032,115.999 117.032,123.941 cw(c117.039,123.941) 117.039,123.948 122.801,123.948 cw(c122.801,123.941) 122.806,123.936
  region: 122.808,115.999 122.808,123.941 ccw(c122.801,123.941) 122.796,123.946 122.405,123.554 ccw(c122.409,123.549) 122.403,123.549 122.403,119.773 117.516,116.397 117.431,116.397 ccw(c117.431,116.391) 117.426,116.395 117.034,116.004 ccw(c117.039,115.999) 117.032,115.999 ccw(c117.039,115.999) 117.039,115.992 122.801,115.992 ccw(c122.801,115.999)
  region: 115.845,115.996 115.843,116.388 110.466,116.361 114.322,119.941 110.47,123.535 115.94,123.563 115.938,123.954 110.065,123.925 110.065,116.005 110.072,116.005 110.072,115.968
  region: 129.851,116.015 129.665,116.272 129.683,116.285 126.101,121.338 129.559,123.923 124.269,123.923 124.258,123.938 124.237,123.923 123.732,123.923 125.784,121.101 125.788,121.103 127.534,118.64 124.024,116.015
  lines w0.013: 121.605,110.384 121.614,110.384 ; 117.373,116.189 117.46,116.189 117.373,116.189
  text "MXM" at 74.666,117.72 h2
  text "MXM" at 170.666,117.72 h2
  text "#2" at 73.25,115.05 h1.5
  text "#1" at 169,115.05 h1.5
  text "203 Industries 2019" at 60,21.25 h1.52
  text "MATRIX FOUNDER EDITION" at 210.5,21.25 h1.52
Mechanical 1:
  lines w0.1: 20,26.652 20,213.25 20,213.348 20.038,213.542 20.114,213.724 20.223,213.887 20.363,214.027 20.526,214.136 20.708,214.212 20.902,214.25 23.75,214.25 23.946,214.26 24.331,214.336 24.693,214.486 25.019,214.704 25.296,214.981 25.514,215.307 25.664,215.669 25.74,216.054 25.75,216.25 25.75,219.098 25.788,219.292 25.864,219.474 25.973,219.637 26.113,219.777 26.276,219.886 26.458,219.962 26.652,220 115.5,220 115.5,214.65 124.5,214.65 124.5,220 213.348,220 213.542,219.962 213.724,219.886 213.887,219.777 214.027,219.637 214.136,219.474 214.212,219.292 214.25,219.098 214.25,216.25 214.26,216.054 214.336,215.669 214.486,215.307 214.704,214.981 214.981,214.704 215.307,214.486 215.669,214.336 216.054,214.26 216.25,214.25 219.098,214.25 219.292,214.212 219.474,214.136 219.637,214.027 219.777,213.887 219.886,213.724 219.962,213.542 220,213.348 220,26.652 219.962,26.458 219.886,26.276 219.777,26.113 219.637,25.973 219.474,25.864 219.292,25.788 219.098,25.75 219,25.75 216.25,25.75 216.054,25.74 215.669,25.664 215.307,25.514 214.981,25.296 214.704,25.019 214.486,24.693 214.336,24.331 214.26,23.946 214.25,23.75 214.25,20.002 214.212,19.808 214.136,19.626 214.027,19.463 213.887,19.323 213.724,19.214 213.542,19.138 213.348,19.1 174.5,19.1 cw(c174.5,19.6) 174,19.6 174,21.1 ccw(c173.5,21.1) 173.5,21.6 162,21.6 ccw(c162,21.1) 161.5,21.1 161.5,19.6 cw(c161,19.6) 161,19.1 78.5,19.1 cw(c78.5,19.6) 78,19.6 78,21.1 ccw(c77.5,21.1) 77.5,21.6 66,21.6 ccw(c66,21.1) 65.5,21.1 65.5,19.6 cw(c65,19.6) 65,19.1 26.75,19.1 26.652,19.1 26.458,19.138 26.276,19.214 26.113,19.323 25.973,19.463 25.864,19.626 25.788,19.808 25.75,20.002 25.75,23.75 25.74,23.946 25.664,24.331 25.514,24.693 25.296,25.019 25.019,25.296 24.693,25.514 24.331,25.664 23.946,25.74 23.75,25.75 20.902,25.75 20.708,25.788 20.526,25.864 20.363,25.973 20.223,26.113 20.114,26.276 20.038,26.458 20,26.652
Bottom Keepout:
  lines w0.013: 39.994,233.244 cw(c40.994,233.244) 40.994,234.244
Mechanical 13:
  drawing of 16523 lines, arcs and shapes, not listed
Mechanical 15:
  lines w0.1: 127.99,225.83 128.99,225.83 ; 128.49,225.33 128.49,226.33 ; 126.74,224.18 126.74,227.48 130.24,227.48 130.24,224.18 126.74,224.18